# Altium PCB AJMG 2550XD Silver Jubilee.PcbDoc (part 1 of 2)
Units mm, origin at the board's own origin, x right, y up, seen from the top; angles counter-clockwise.
Board outline 350 x 150 mm, 2 copper layers (Top Layer, Bottom Layer), stack 1.97 mm thick; 150 components, 103 nets, 473 pads, 1195 vias.
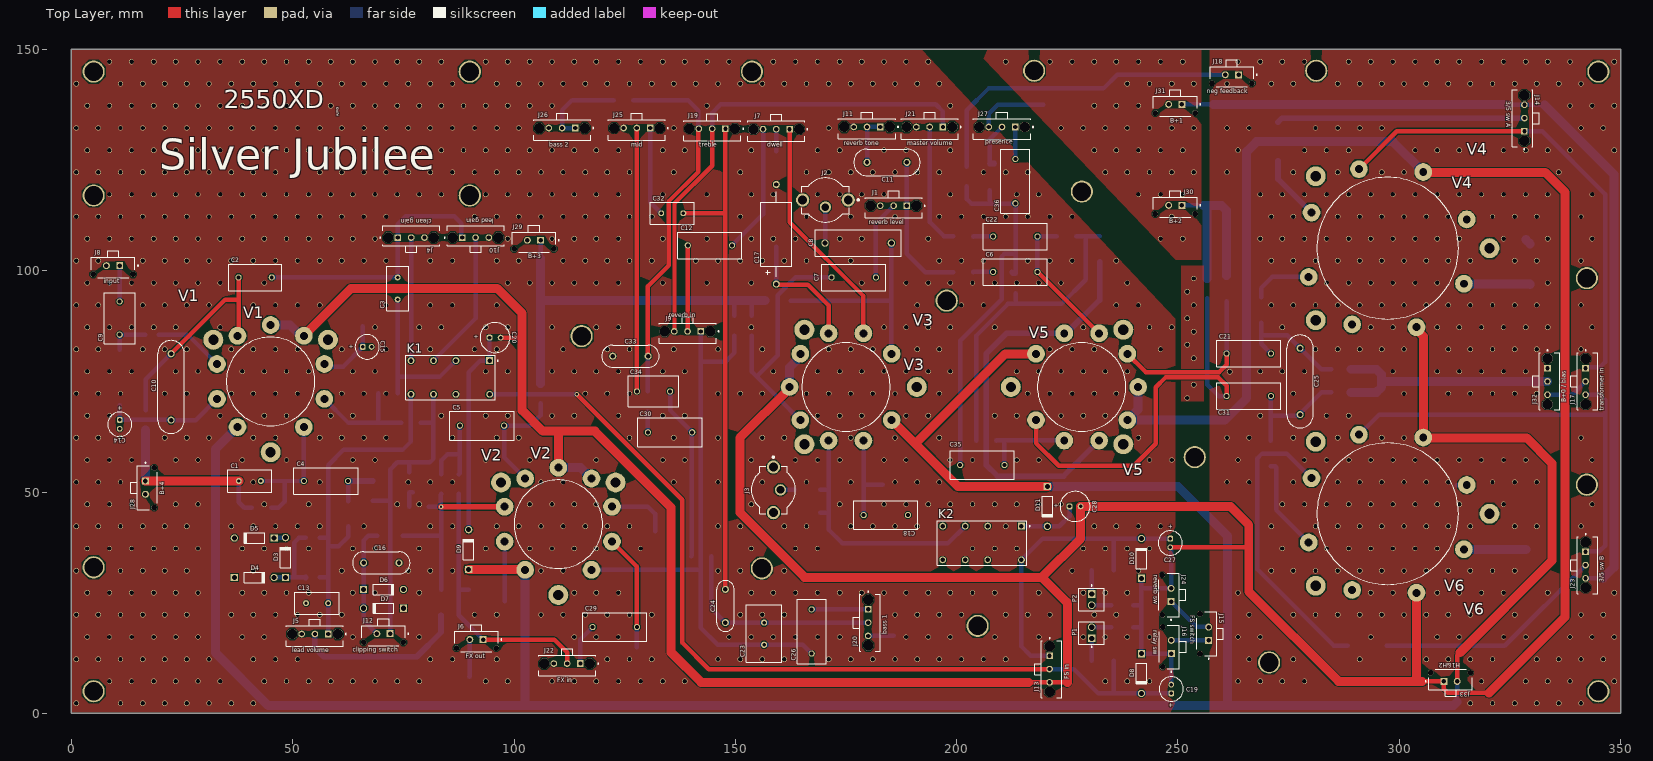
[diagram p0: Top Layer view]
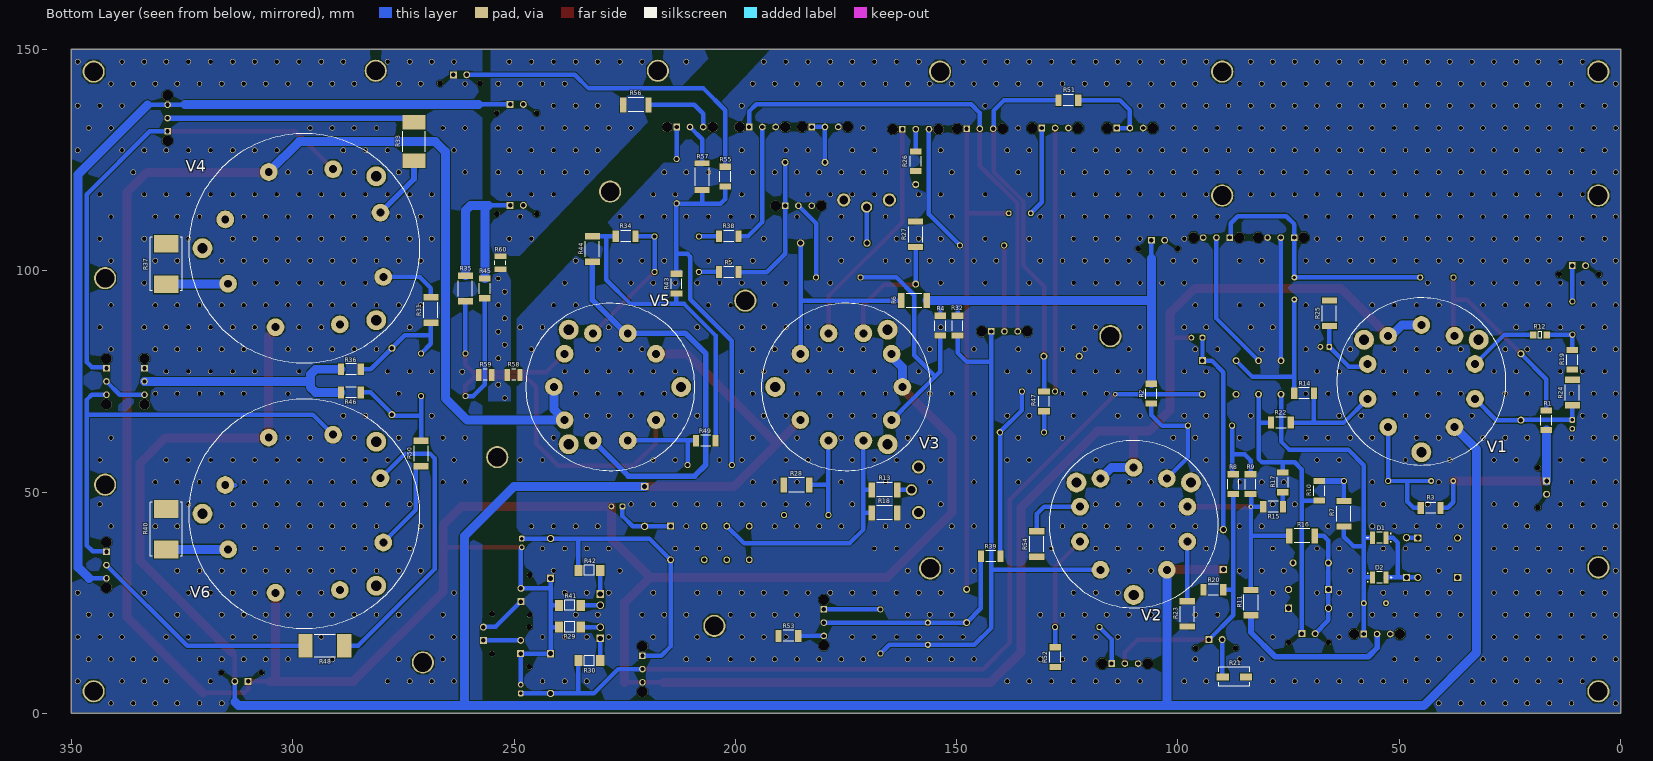
[diagram p1: Bottom Layer view, seen from below]
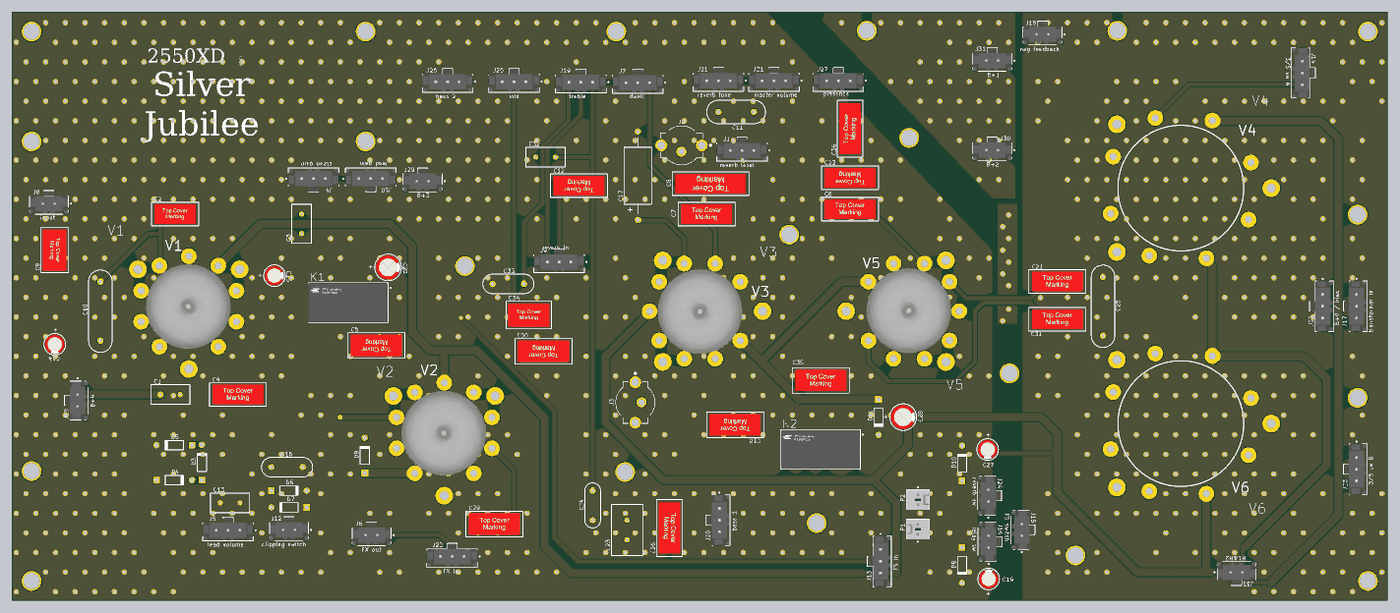
[diagram p3: 3D render of the assembled board from above, using the file's embedded part models]

## Layer stack, top to bottom
Top Solder: solder mask 0.0127, Solder Resist, Dk 3.8
Top Layer: signal copper 0.035
Dielectric: core 1.9, FR-4, Dk 4.5
Bottom Layer: signal copper 0.035
Bottom Solder: solder mask 0.0127, Solder Resist, Dk 3.8

## Board outline
0,0 0,150 350,150 350,0

## Design rules (kind name [scope] priority, off if disabled: settings)
BoardOutlineClearance [All] p1: gap=0.2 ignorepadtopadclearanceinfootprint=FALSE
Clearance [All] p1: gap=0.2 ignorepadtopadclearanceinfootprint=FALSE
ComponentClearance [All] p1: gap=0.127 collisioncheckmode=3 verticalgap=0.127 showdistances=TRUE
DiffPairsRouting [All] p1: maxlimit=0.254 minlimit=0.127 mostfreqgap=0.127 toplayer_minwidth=0.127 toplayer_maxwidth=25.4 toplayer_prefwidth=0.127 bottomlayer_minwidth=0.127 bottomlayer_maxwidth=25.4 bottomlayer_prefwidth=0.127 maxuncoupledlength=12.7
Height [All] p1: minheight=0 maxheight=1816.048 prefheight=12.7
HoleSize [All] p1: absolutevalues=TRUE maxlimit=6.3 minlimit=0.3 maxpercent=80.000 minpercent=20.000
HoleToHoleClearance [All] p1: gap=0.25 allowstackedmicrovias=FALSE
MinimumAnnularRing [All] p1: minimumring=0.076
MinimumSolderMaskSliver [All] p1: minsoldermaskwidth=0
PlaneClearance [All] p1: clearance=0.127
PlaneConnect PlaneConnectPowerPads [InPadClass('PowerPads')] p1: planeconnectstyle=Direct reliefexpansion=0.508 reliefentries=4 reliefconductorwidth=0.254 reliefairgap=0.254
PlaneConnect [All] p2: pad.planeconnectstyle=Relief pad.reliefexpansion=0.3 pad.reliefentries=4 pad.reliefconductorwidth=0.127 pad.reliefairgap=0.127 via.planeconnectstyle=Direct via.reliefexpansion=0.3 via.reliefentries=4 via.reliefconductorwidth=0.127 via.reliefairgap=0.127
PolygonConnect PolygonConnectPowerPads [All vs (InPadClass('PowerPads'))] p1: connectstyle=Direct reliefconductorwidth=0.254 reliefentries=4 polygonreliefangle="90 Angle" airgapwidth=0.254
PolygonConnect [All] p2: thpad.connectstyle=Relief thpad.reliefconductorwidth=0.127 thpad.reliefentries=4 thpad.polygonreliefangle="90 Angle" thpad.airgapwidth=0.127 smdpad.connectstyle=Relief smdpad.reliefconductorwidth=0.127 smdpad.reliefentries=4 smdpad.polygonreliefangle="90 Angle" smdpad.airgapwidth=0.127 via.connectstyle=Direct via.reliefconductorwidth=0.127 via.reliefentries=4 via.polygonreliefangle="90 Angle" via.airgapwidth=0.127
RoutingVias [All] p1: holewidth=1 width=1.2 viastyle="Through Hole" minholewidth=0.3 minwidth=0.6 maxholewidth=2 maxwidth=6.6
SilkToSilkClearance [All] p1: silktosilkclearance=0
SilkToSolderMaskClearance [IsPad] p1: minsilkscreentomaskgap=0.127 clearancetoexposedcopper=TRUE
SolderMaskExpansion [All] p1: expansion=0.075 istentingtop=FALSE
Width Width_PWR [All] p1: maxlimit=25.4 minlimit=0.254 preferedwidth=1.27 minimp=50.000000 maximp=50.000000 favimp=50.000000
Width [InNet('+*') Or InNet('PWR_GND') Or InNet('PRE_GND') Or InNet('PI_GND')] p2: maxlimit=25.4 minlimit=0.127 preferedwidth=1.27 minimp=50.000000 maximp=50.000000 favimp=50.000000
20 further rules are at their usual default settings.

## Components (designator, comment, footprint, x,y, rotation, side; value= is the part's Value field where it differs from the comment)
C1 "470p 630V" C_THT_5MM_7.2X4.5_NOT_POLARISED 40.3,52.5 r180 top
C2 "0.033u 630V" C_THT_7.5MM_10.5X5_NOT_POLARISED 41.5,98.5 r0 top
C3 "0.001u 630V" C_THT_5MM_7.2X4.5_NOT_POLARISED 73.7,96 r270 top
C4 "0.022u 400V" C_THT_10MM_13X5_NOT_POLARISED 57.5,52.5 r0 top
C5 "0.1uF 305VAC" C_THT_10MM_13X5.5_NOT_POLARISED 92.75,65 r180 top
C6 "0.022u 400V" C_THT_10MM_13X5_NOT_POLARISED 213.25,99.75 r0 top
C7 "4700p 1kV" C_THT_10MM_13X5_NOT_POLARISED 176.75,98.5 r0 top
C8 "220n 400V" C_THT_15MM_18X5_NOT_POLARISED 177.75,106.25 r180 top
C9 "0.047u 630V" C_THT_7.5MM_10.5X6_NOT_POLARISED 10.9,89.3 r270 top
C10 "47p 1kV" C_THT_15MM_16.3X4.8_NOT_POLARISED 22.5,73.75 r90 top
C11 "500p 500V" C_THT_9MM_16.25X5_NOT_POLARISED 184.25,124.5 r0 top
C12 "0.022u 400V" C_THT_10MM_13X5_NOT_POLARISED 144.25,105.75 r180 top
C13 "0.001u 630V" C_THT_5MM_7.2X4.5_NOT_POLARISED 55.5,24.9 r0 top
C14 "0.68u 100V" C_THT_2MM_D5H11_POLARISED 10.9,65.3 r90 top
C15 "10u 100V" C_THT_2MM_D5H11_POLARISED 66.8,82.8 r180 top
C16 "0.002u 500V" C_THT_8MM_16X5_NOT_POLARISED 70,34 r180 top
C17 "25u 50V" C_THT_22.5MM_D6.35XH17.45_AXIAL_POLARISED 159.25,108.25 r90 top
C18 "0.1uF 305VAC" C_THT_10MM_13X5.5_NOT_POLARISED 184,44.8 r180 top
C19 "22u 35V" C_THT_2MM_D5H11_POLARISED 248.5,5.5 r270 top
C20 "470u 10V" C_THT_2.5MM_D6.3H11_POLARISED 95.7,84.9 r180 top
C21 "0.022u 400V" C_THT_10MM_13X5_NOT_POLARISED 266,81.3 r0 top
C22 "0.022u 400V" C_THT_10MM_13X5_NOT_POLARISED 213.25,107.75 r180 top
C23 "0.0047u 630V" C_THT_5MM_7.2X6.5_NOT_POLARISED 156.5,18 r90 top
C24 "220pF 1kV" C_THT_7.5MM_10.9X3.8_NOT_POLARISED 147.75,24.25 r90 top
C25 "47p 1kV" C_THT_15MM_16.3X4.8_NOT_POLARISED 277.6,75 r90 top
C26 "0.1uF 305VAC" C_THT_10MM_13X5.5_NOT_POLARISED 167.25,18.5 r270 top
C27 "22u 35V" C_THT_2MM_D5H11_POLARISED 248.25,38.5 r90 top
C28 "470u 10V" C_THT_2.5MM_D6.3H11_POLARISED 226.75,46.75 r180 top
C29 "0.1uF 305VAC" C_THT_10MM_13X5.5_NOT_POLARISED 122.75,19.5 r0 top
C30 "0.1uF 305VAC" C_THT_10MM_13X5.5_NOT_POLARISED 135.25,63.5 r180 top
C31 "0.022u 400V" C_THT_10MM_13X5_NOT_POLARISED 266,71.7 r0 top
C32 "470p 630V" C_THT_5MM_7.2X4.5_NOT_POLARISED 135.75,113 r0 top
C33 "0.002u 500V" C_THT_8MM_16X5_NOT_POLARISED 126.3,80.7 r0 top
C34 "0.01u 1kV" C_THT_7.5MM_10.5X6_NOT_POLARISED 131.5,72.75 r0 top
C35 "0.1uF 305VAC" C_THT_10MM_13X5.5_NOT_POLARISED 205.8,56.1 r0 top
C36 "0.1uF 305VAC" C_THT_10MM_13X5.5_NOT_POLARISED 213.25,120.25 r90 top
D1 "LTST-C930CKT" D_LTST-C930CKT 54.5,39.7 r180 bottom
D2 "LTST-C930CKT" D_LTST-C930CKT 54.5,30.7 r0 bottom
D3 "1N4007-T" D_1N4007-T 48.35,35.2 r90 top
D4 "1N4007-T" D_1N4007-T 41.3,30.7 r0 top
D5 "1N4007-T" D_1N4007-T 41.3,39.6 r180 top
D6 "1N4007-T" D_1N4007-T 70.5,28 r0 top
D7 "1N4007-T" D_1N4007-T 70.5,23.75 r180 top
D8 "1N4007-T" D_1N4007-T 241.75,9 r270 top
D9 "1N4007-T" D_1N4007-T 89.75,37 r90 top
D10 "1N4007-T" D_1N4007-T 241.75,35 r90 top
D11 "1N4007-T" D_1N4007-T 220.5,46.75 r270 top
J1 "43650-0320" "CONN HEADER VERT 3POS 3MM" 185.75,115 r0 top
J2 "RCJ-021" CONN_CUI_RCJ-021 170.35,116 r180 top
J3 "RCJ-021" CONN_CUI_RCJ-021 158.6,50.5 r270 top
J4 "43650-0320" "CONN HEADER VERT 3POS 3MM" 76.75,107.185 r180 top
J5 "43650-0320" "CONN HEADER VERT 3POS 3MM" 55,18.25 r0 top
J6 "43650-0229" "CONN HEADER VERT 2POS 3MM" 91.5,17 r0 top
J7 "43650-0320" "CONN HEADER VERT 3POS 3MM" 159.25,132.315 r0 top
J8 "43650-0229" "CONN HEADER VERT 2POS 3MM" 9.4,101.475 r0 top
J9 "43650-0320" "CONN HEADER VERT 3POS 3MM" 139.2,86.615 r0 top
J10 "43650-0320" "CONN HEADER VERT 3POS 3MM" 91.3,107.185 r180 top
J11 "43650-0320" "CONN HEADER VERT 3POS 3MM" 179.75,132.815 r0 top
J12 "43650-0229" "CONN HEADER VERT 2POS 3MM" 70.5,18.315 r0 top
J13 "43650-0320" "CONN HEADER VERT 3POS 3MM" 220.685,10 r90 top
J14 "43650-0320" "CONN HEADER VERT 3POS 3MM" 328.6,134.5 r270 top
J15 "43650-0229" "CONN HEADER VERT 2POS 3MM" 257.25,18 r270 top
J16 "43650-0229" "CONN HEADER VERT 2POS 3MM" 248.815,15 r270 top
J17 "43650-0320" "CONN HEADER VERT 3POS 3MM" 341.785,75 r90 top
J18 "43650-0229" "CONN HEADER VERT 2POS 3MM" 262.2,144.6 r0 top
J19 "43650-0320" "CONN HEADER VERT 3POS 3MM" 144.75,132.415 r0 top
J20 "43650-0320" "CONN HEADER VERT 3POS 3MM" 179.685,20.5 r90 top
J21 "43650-0320" "CONN HEADER VERT 3POS 3MM" 193.9,132.8 r0 top
J22 "43650-0320" "CONN HEADER VERT 3POS 3MM" 111.994,11.565 r0 top
J23 "43650-0320" "CONN HEADER VERT 3POS 3MM" 341.785,33.5 r90 top
J24 "43650-0229" "CONN HEADER VERT 2POS 3MM" 248.75,26.75 r270 top
J25 "43650-0320" "CONN HEADER VERT 3POS 3MM" 127.75,132.565 r0 top
J26 "43650-0320" "CONN HEADER VERT 3POS 3MM" 110.85,132.565 r0 top
J27 "43650-0320" "CONN HEADER VERT 3POS 3MM" 210.244,132.802 r0 top
J28 "43650-0229" "CONN HEADER VERT 2POS 3MM" 16.4,51 r90 top
J29 "43650-0229" "CONN HEADER VERT 2POS 3MM" 104.5,107.215 r0 top
J30 "43650-0229" "CONN HEADER VERT 2POS 3MM" 249.4,115.1 r0 top
J31 "43650-0229" "CONN HEADER VERT 2POS 3MM" 249.4,137.9 r0 top
J32 "43650-0320" "CONN HEADER VERT 3POS 3MM" 333.185,75 r90 top
J33 "43650-0229" "CONN HEADER VERT 2POS 3MM" 311.6,6.9 r180 top
K1 "9-1393792-3" RELAY_V23105A5301A201 85.6,75.9 r180 top
K2 "9-1393792-3" RELAY_V23105A5301A201 205.75,38.5 r180 top
P1 "22-27-2021" MOLX-22-27-2021_V 230.5,18.2 r90 top
P2 "22-27-2021" MOLX-22-27-2021_V 230.5,25.7 r270 top
R1 "100k 1%" R_2010 16.75,66.225 r270 bottom
R2 "100k 1%" R_2010 106,72.25 r90 bottom
R3 "100k 1%" R_2010 42.9,46.4 r180 bottom
R4 "470k 1%" R_2010 153.7,87.6 r270 bottom
R5 "100k 1%" R_2010 201.5,99.7 r0 bottom
R6 "10k 5%" R_2512 159.625,93.25 r180 bottom
R7 "47k 1%" R_2512 62.5,45.1 r270 bottom
R8 "100k 1%" R_2010 87.5,51.8 r90 bottom
R9 "1M 1%" R_2010 83.6,51.8 r270 bottom
R10 "220k 1%" R_2010 68.1,50.3 r90 bottom
R11 "47k 1%" R_2512 83.5,25 r90 bottom
R12 "68k 2%" R_MELF_0204 18.2,85.5 r0 bottom
R13 "10k 5%" R_2512 166.3,50.5 r180 bottom
R14 "100k 1%" R_2010 71.5,72.3 r180 bottom
R15 "100k 1%" R_2010 78.5,46.7 r0 bottom
R16 "47k 1%" R_2512 72,40.1 r0 bottom
R17 "10k 1%" R_2010 76.3,52.2 r90 bottom
R18 "22k 5%" R_2512 166.3,45.3 r0 bottom
R19 "1M 1%" R_2010 10.9,79.9 r90 bottom
R20 "10k 1%" R_2010 92,27.9 r180 bottom
R21 "10R 5%" R_2616_MOLDED 87.25,8.25 r0 bottom
R22 "220k 1%" R_2010 76.725,65.7 r180 bottom
R23 "1.5k 5%" R_2512 97.9,22.5 r90 bottom
R24 "2.7k 1%" R_2512 10.9,72.5 r270 bottom
R25 "1.5k 5%" R_2512 65.8,90.4 r270 bottom
R26 "220k 1%" R_2010 159.25,124.75 r90 bottom
R27 "1k2" R_2512 159.25,108.25 r270 bottom
R28 "3k 1%" R_2512 186.2,51.6 r180 bottom
R29 "330R 2%" R_MELF_0207 237.4,19.5 r180 bottom
R30 "330R 2%" R_MELF_0207 233,11.9 r0 bottom
R31 "5.6k 5%" R_2512 268.8,91.1 r90 bottom
R32 "220k 1%" R_2010 149.8,87.6 r90 bottom
R33 "1K 1%" R_3550 272.6,129.2 r270 bottom
R34 "1M 1%" R_2010 224.8,107.8 r180 bottom
R35 "82k 5%" R_2512 261,96 r270 bottom
R36 "220k 1%" R_2010 286.85,77.75 r180 bottom
R37 "1R 1%" R_4527_MOLDED 328.6,101.5 r270 bottom
R38 "100k 1%" R_2010 201.5,107.8 r0 bottom
R39 "100k 1%" R_2010 142.3,35.5 r0 bottom
R40 "1R 1%" R_4527_MOLDED 328.6,41.6 r90 bottom
R41 "330R 2%" R_MELF_0207 237.4,24.4 r180 bottom
R42 "330R 2%" R_MELF_0207 233,32.3 r0 bottom
R43 "10k 1%" R_2010 213.3,97.1 r270 bottom
R44 "470R 1%" R_2512 232.3,104.9 r270 bottom
R45 "100k 1%" R_2010 256.6,96 r90 bottom
R46 "220k 1%" R_2010 286.85,72.5 r0 bottom
R47 "10k 1%" R_2010 130.25,70.5 r90 bottom
R48 "1K 1%" R_3550 292.75,15.25 r0 bottom
R49 "1M 1%" R_2010 206.7,61.6 r180 bottom
R50 "5.6k 5%" R_2512 271,58.7 r270 bottom
R51 "100k 1%" R_2010 124.75,138.5 r0 bottom
R52 "1M 1%" R_2010 127.75,12.725 r90 bottom
R53 "100k 1%" R_2010 188,17.5 r180 bottom
R54 "470R 1%" R_2512 131.9,38.275 r90 bottom
R55 "100k 1%" R_2010 202.3,121.3 r90 bottom
R56 "470R 1%" R_2512 222.5,137.5 r0 bottom
R57 "4k7 5%" R_2512_N 207.5,121.25 r90 bottom value="4700.00 Ohm"
R58 "CRCW12100000Z0EA" FP-CRCW1210-e3-IPC_B 250.1,76.5 r0 bottom
R59 "CRCW12100000Z0EA" FP-CRCW1210-e3-IPC_B 256.5,76.5 r0 bottom
R60 "CRCW12100000Z0EA" FP-CRCW1210-e3-IPC_B 253.1,101.8 r90 bottom
V1 "ECC83" VT9-PT-2 45,75 r0 top locked
V2 "ECC83" VT9-PT-2 110,42.75 r0 top locked
V3 "12DW7" VT9-PT-2 175,73.75 r90 top locked
V4 "EL34" VT8-PT-2 297.4,105.1 r180 top locked
V5 "ECC83" VT9-PT-2 228.25,73.75 r270 top locked
V6 "EL34" VT8-PT-2 297.4,45.1 r180 top locked

## Footprints (in the part's own frame and the unit in brackets; to place one, negate y for a bottom-side part, rotate by r counter-clockwise, add the part's x,y. Pads: shape width x height; smd on the part's side, far side on the other; paste and mask are expansions set on the pad)
C_THT_2.5MM_D6.3H11_POLARISED [mm] "THT Aluminum Electrolytic Capacitors, Body D6.3xH11mm"
  rrect50% 1.3x1.3 hole 0.8: 1(1.25,0)
  round 1.3 hole 0.8: 2(-1.25,0)
  silkscreen extent -3.4,-3.4 3.4,3.4, body extent -3.14,-3.15 3.15,3.15, height 11.31
C_THT_2MM_D5H11_POLARISED [mm] "THT Aluminum Electrolytic Capacitors, Body D5xH11mm"
  rrect50% 1.3x1.3 hole 0.8: 1(1,0)
  round 1.3 hole 0.8: 2(-1,0)
  silkscreen extent -2.75,-2.75 2.75,2.75, body extent -2.49,-2.5 2.5,2.5, height 11.31
C_THT_5MM_7.2X4.5_NOT_POLARISED [mm] "THT Film Capacitors, Body 7.2x4.5mm"
  round 1.35 hole 0.75: 1(-2.5,0) 2(2.5,0)
  silkscreen extent -5,-2.5 5,2.5
C_THT_5MM_7.2X6.5_NOT_POLARISED [mm] "THT Film Capacitors, Body 7.2x6.5mm"
  round 1.4 hole 0.8: 1(-2.5,0) 2(2.5,0)
  silkscreen extent -6.5,-4 6.5,4
C_THT_7.5MM_10.5X5_NOT_POLARISED [mm] "THT Film Capacitors, Body 10.5x5mm"
  round 1.4 hole 0.9: 1(-3.75,0) 2(3.75,0)
  silkscreen extent -6,-3 6,3, body extent -5.25,-2.5 5.25,2.5, height 11.05
C_THT_7.5MM_10.5X6_NOT_POLARISED [mm] "THT Film Capacitors, Body 10.5x6mm"
  round 1.4 hole 0.9: 1(-3.75,0) 2(3.75,0)
  silkscreen extent -5.75,-3.5 5.75,3.5, body extent -5.25,-3 5.25,3, height 12.05
C_THT_7.5MM_10.9X3.8_NOT_POLARISED [mm] "THT Film Capacitors, Body 10.9x3.8mm"
  round 1.6 hole 1: 1(-3.75,0) 2(3.75,0)
  silkscreen extent -5.75,-2 5.75,2
C_THT_8MM_16X5_NOT_POLARISED [mm] "THT Mica Capacitors, Body 16x5mm"
  round 1.6 hole 1: 1(-4,0) 2(4,0)
  silkscreen extent -6.5,-2.5 6.5,2.5
C_THT_9MM_16.25X5_NOT_POLARISED [mm] "THT Mica Capacitors, Body 16.25x5mm"
  round 1.6 hole 1: 1(-4.5,0) 2(4.5,0)
  silkscreen extent -7.5,-3 7.5,3
C_THT_10MM_13X5.5_NOT_POLARISED [mm] "THT Film Capacitors, Body 13x5.5mm"
  round 1.4 hole 0.9: 1(-5,0) 2(5,0)
  silkscreen extent -7.25,-3.25 7.25,3.25, body extent -6.5,-2.75 6.5,2.75, height 11.05
C_THT_10MM_13X5_NOT_POLARISED [mm] "THT Film Capacitors, Body 13x5mm"
  round 1.4 hole 0.9: 1(-5,0) 2(5,0)
  silkscreen extent -7.25,-3 7.25,3, body extent -6.5,-2.5 6.5,2.5, height 11.05
C_THT_15MM_16.3X4.8_NOT_POLARISED [mm] "THT Mica Capacitors, Body 16.3x4.8mm"
  round 1.6 hole 1: 1(-7.5,0) 2(7.5,0)
  silkscreen extent -10.5,-3 10.5,3
C_THT_15MM_18X5_NOT_POLARISED [mm] "THT Film Capacitors, Body 18x5mm"
  round 1.65 hole 1.1: 1(-7.5,0) 2(7.5,0)
  silkscreen extent -9.75,-3 9.75,3, body extent -9,-2.5 9,2.5, height 11.05
C_THT_22.5MM_D6.35XH17.45_AXIAL_POLARISED [mm] "THT Electrolit Capacitors, Body 6.35x17.45mm"
  round 1.6 hole 1: 1(-11.25,0) 2(11.25,0)
  silkscreen extent -9.65,-3.5 9.65,3.5
"CONN HEADER VERT 2POS 3MM" [mm]
  rect 1.57x1.57 hole 1.02 paste-1000 mask+0: 1(1.5,-0.315)
  round 1.57 hole 1.02 paste-1000 mask+0: 2(-1.5,-0.315)
  round 1.27 hole 1.27 unplated paste-1000 mask+0: ""(-4.5,-2.275) ""(4.5,-2.275)
  silkscreen extent -4.95,-3.04 5.75,3.04, body extent -5.24,-3.14 5.24,3.14, height 0.25
"CONN HEADER VERT 3POS 3MM" [mm]
  rect 1.5x1.5 hole 0.97 paste-1000 mask+0: 1(3,-0.315)
  round 1.5 hole 0.97 paste-1000 mask+0: 2(0,-0.315) 3(-3,-0.315)
  round 2.36 hole 2.36 unplated paste-1000 mask+0: ""(-5.15,-0.315) ""(5.15,-0.315)
  silkscreen extent -6.45,-3.04 7.13,3.04, body extent -6.55,-3.14 6.55,3.14, height 0.25
CONN_CUI_RCJ-021 [mm] "Connector RCJ-021, Body 10,7x10, Vertical, 1 port"
  round 3 hole 2: 1A(-5.15,0) 1B(5.15,0)
  round 2.55 hole 1.7: 2(0,1.6)
  silkscreen extent -7.6,-4.98 5.35,4.98
D_1N4007-T [mm] "Diode, Axial Lead, Body 4.635x2.36mm, Pin Spacing 9mm"
  rect 1.65x1.65 hole 1.15: 1(-4.5,0)
  round 1.65 hole 1.15: 2(4.5,0)
  silkscreen extent -2.32,-1.18 2.32,1.18, body extent -4.93,-1.18 4.93,1.18, height 2.35
D_LTST-C930CKT [mm] "Diode LED - LTST-C930CKT"
  rect 1.1x2.8 smd paste+0 mask+0: 1(-1.55,0) 2(1.55,0)
  silkscreen extent -2.8,-1.25 2.79,1.25, body extent -1.6,-1.2 1.6,1.2, height 2.5
FP-CRCW1210-e3-IPC_B [mm]
  rect 1.205x2.706 smd paste+0 mask+0: 1(-1.451,0) 2(1.451,0)
  silkscreen extent -0.47,-1.25 0.47,1.25, body extent -1.6,-1.25 1.6,1.25, height 0.6
MOLX-22-27-2021_V [mm] "Header, 2-Leads, Body 5.8x5.08mm"
  rect 1.7x1.7 hole 1.19: 1(-1.27,0)
  round 1.7 hole 1.19: 2(1.27,0)
  silkscreen extent -3.31,-2.9 2.54,2.9, body extent -2.54,-2.9 2.54,2.9, height 11.72
R_2010 [mm] "Chip Resistor, Body 4,00x2,5mm, IPC Medium Density"
  rect 1.4x2.65 smd: 1(-2.225,0) 2(2.225,0)
  silkscreen extent -1.15,-1.22 1.15,1.23, body extent -2.57,-1.32 2.58,1.33, height 0.7
R_2512 [mm] "Chip Resistor, Body 6,30x3,20mm, IPC Medium Density"
  rect 1.45x3.4 smd: 1(-2.875,0) 2(2.875,0)
  silkscreen extent -1.75,-1.6 1.75,1.6, body extent -3.25,-1.7 3.25,1.7, height 0.7
R_2512_N [mm] "Chip Resistor, Body 6.4x3.2mm, IPC Medium Density"
  rect 1.25x3.35 smd: 1(-3,0) 2(3,0)
  silkscreen extent -2,-1.57 2,1.58, body extent -3.25,-1.7 3.25,1.7, height 0.75
R_2616_MOLDED [mm] "Molded Inductor, Body 6,70x4,00mm, IPC Medium Density"
  rect 2.75x1.6 smd: 1(-2.625,0) 2(2.625,0)
  silkscreen extent -3.5,-2.15 3.5,2.15, body extent -3.5,-2.15 3.5,2.15, height 3.85
R_3550 [mm] "Chip Resistor, Body 11,00x5,00mm, IPC Medium Density"
  rect 3.25x5.25 smd: 1(-4.375,0) 2(4.375,0)
  silkscreen extent -2.35,-2.52 2.35,2.53, body extent -5.65,-2.62 5.65,2.63, height 1.2
R_4527_MOLDED [mm] "Molded Inductor, Body 11,56x6,98mm, IPC Medium Density"
  rect 4x5.5 smd: 1(-4.575,0) 2(4.575,0)
  silkscreen extent -6.05,-3.6 6.05,3.6, body extent -6.03,-3.55 6.03,3.55, height 4.5
R_MELF_0204 [mm] "MELF Resistor, Body 3,60x1,40mm, IPC Medium Density"
  rect 1.55x1.65 smd: 1(-1.525,0) 2(1.525,0)
  silkscreen extent -0.35,-0.72 0.35,0.72, body extent -1.9,-0.75 1.9,0.75, height 1.49
R_MELF_0207 [mm] "MELF Resistor, Body 5,80x2,20mm, IPC Medium Density"
  rect 1.9x2.5 smd: 1(-2.45,0) 2(2.45,0)
  silkscreen extent -1.1,-1.15 1.1,1.15, body extent -2.98,-1.2 2.97,1.2, height 2.39
RELAY_V23105A5301A201 [mm] "Relay TELECOM V23105A5301A201, Body 20,2x10mm, DPDT 3A 5V"
  rect 1.55x1.55 hole 1 paste-1000 mask+0: 1(-8.89,-3.81)
  round 1.55 hole 1 paste-1000 mask+0: 4(-1.27,-3.81) 6(3.81,-3.81) 8(8.89,-3.81) 9(8.89,3.81) 11(3.81,3.81) 13(-1.27,3.81) 16(-8.89,3.81)
  silkscreen extent -10.85,-5.02 10.12,5.02, body extent -10.23,-5.13 10.23,5.13, height 0.25
VT8-PT-2 [mm] "Tube Socket -  VT8-PT-2"
  round 4 hole 1.8: 1(-17.854,-6.498) 2(-8.03,-17.22) 3(6.498,-17.854) 4(17.22,-8.03) 5(17.854,6.498) 6(8.03,17.22) 7(-6.498,17.854) 8(-17.22,8.03)
  round 4.5 hole 2.3: M1(-23,0) M2(16.263,-16.263) M3(16.263,16.263)
  silkscreen extent -16,-16 16,16, body extent -19.62,-19.59 19.59,19.69, height 100
VT9-PT-2 [mm] "Tube Socket -  VT9-PT-2"
  round 4 hole 1.8: 1(7.494,-10.315) 2(12.126,-3.94) 3(12.126,3.94) 4(7.494,10.315) 5(0,12.75) 6(-7.494,10.315) 7(-12.126,3.94) 8(-12.126,-3.94) 9(-7.494,-10.315)
  round 4.5 hole 2.3: M1(12.944,9.405) M2(-12.944,9.405) M3(0,-16)
  silkscreen extent -10,-10 10,10, body extent -15.13,-15.08 14.89,14.94, height 52.4

## Part data
C1 C32: library part FKP2J004701D00KSSD, "CAP FILM THT 7.2x4.5 470pF 630V 10%", Capacitance=470pF, Case/Package=Radial, Dielectric=PP, Manufacturer=WIMA, Max Operating Temperature=100°C, Min Operating Temperature=-55°C, Supplier Part Number 1=505-FKP2470/630/10, Tolerance=10%, Voltage Rating (AC)=250V, Voltage Rating (DC)=630V, Category="Film Capacitors", ComponentLink1Description=https://datasheet.ciiva.com/48407/hifkp2-dat-e-48407899.pdf?src-supplier=Distrelec, ComponentLink1URL=https://datasheet.ciiva.com/48407/hifkp2-dat-e-48407899.pdf?src-supplier=Distrelec, Height=6mm, Lead Pitch=5mm, Length=7.2mm, Manufacturer Part Number=FKP2J004701D00KSSD, Pricing 1="1=0,36000, 10=0,25600, 50=0,25600, 100=0,15300, 1000=0,09700, 10000=0,08100 (USD)", RoHS=Yes, RoHS Compliant=Yes, Stock 1=4441, Supplier 1=Mouser, Termination=Radial, Width=4.5mm
C2: library part 890303322005CS, "CAP FILM THT 10.5x5 0.033uF 630V 5%", Capacitance=33nF, Capacitance Tolerance=+/-5%, Insulation Resistance=30000MOhm, Manufacturer="Wurth Elektronik", Operating Temperature="-40 to +105degC", Rate of Voltage Rise=700V/us, Rated Voltage=630VDC, ComponentLink1Description=Manufacturer, ComponentLink1URL=http://www.we-online.de, ComponentLink2Description=Datasheet, ComponentLink2URL=https://www.we-online.com/catalog/datasheet/890303322005CS.pdf, Dissipation Factor@1kHz=0.1%, Dissipation Factor@10kHz=0.1%, Dissipation Factor@100kHz=0.15%, Height=11mm, Length=10.5mm, Manufacturer Part Number=890303322005CS, Mounting Technology=THT, Packaging=Carton, Pitch=7.5mm, Published Date="May 2020", Technical Reference=MPPP075333J630DCPP45004, Width=5mm
C3 C13: library part FKP2J011001D00KI00, "CAP FILM THT 7.2x4.5 0.001uF 630V 10%", Capacitance=1nF, Case/Package=Radial, Dielectric=PP, Manufacturer=WIMA, Max Operating Temperature=100°C, Min Operating Temperature=-55°C, Supplier Part Number 1=505-FKP2J011001D00KI, Tolerance=10%, Category=Uncategorized, ComponentLink1Description=http://components.arrow.com/part/dataview/0323_03186601?src-supplier=Arrow+Europe, ComponentLink1URL=http://components.arrow.com/part/dataview/0323_03186601?src-supplier=Arrow+Europe, Depth=4.5mm, Lead Diameter=0.5mm, Lead Pitch=5mm, Length=7.2mm, Manufacturer Part Number=FKP2J011001D00KI00, Packaging="Tape and Reel", Pricing 1="1=0,38000, 10=0,26600, 50=0,26600, 100=0,15900, 1000=0,10100, 10000=0,08500 (USD)", RoHS=Yes, Stock 1=6998, Supplier 1=Mouser
C4 C6 C12 C21 C22 C31: library part MKP4G022203C00KSSD, "CAP FILM THT 13x4 0.022uF 400V 10%", Capacitance=22nF, Case/Package=Radial, Dielectric=PP, Manufacturer=WIMA, Max Operating Temperature=100°C, Min Operating Temperature=-55°C, Supplier Part Number 1=505-MKP4.022/400/10P, Tolerance=10%, Voltage Rating=400V, Category="Film Capacitors", ComponentLink1Description=http://components.arrow.com/part/dataview/0323_02831633?src-supplier=Arrow+Europe, ComponentLink1URL=http://components.arrow.com/part/dataview/0323_02831633?src-supplier=Arrow+Europe, ComponentLink2Description=http://www.mouser.com/ds/2/440/e_WIMA_MKP_4-1139861.pdf?src-supplier=Mouser, ComponentLink2URL=http://www.mouser.com/ds/2/440/e_WIMA_MKP_4-1139861.pdf?src-supplier=Mouser, Construction=RADIAL, Depth=4mm, Dissipation Factor=10%, Height=9mm, Lead Diameter=0.6mm, Lead Pitch=10mm, Length=13mm, Manufacturer Part Number=MKP4G022203C00KSSD, Packaging=Bulk, Pricing 1="1=0,38000, 10=0,27200, 50=0,27200, 100=0,17900, 1000=0,11700, 10000=0,09600 (USD)", RoHS=Yes, RoHS Compliant=Yes, Series=MKP4, Stock 1=2521, Supplier 1=Mouser, Termination=Radial, Type="General Purpose", Width=4mm
C5 C18 C26 C29 C30 C35 C36: library part MPX104K305D, "CAP FILM THT 13x6 0.1uF 305V(AC) 10%", Manufacturer="Cornell Dubilier", Supplier Part Number 1=598-MPX104K305D, Manufacturer Part Number=MPX104K305D, Pricing 1="1=0,41000, 10=0,20200, 50=0,20200, 100=0,12800, 1000=0,10800, 10000=0,08800 (USD)", RoHS=No, Stock 1=2661, Supplier 1=Mouser
C7: library part MKP10-4700/1KV/10P10, "CAP FILM THT 13x4 4700pF 1kV 10%", Manufacturer=WIMA, Supplier Part Number 1=505-MKP147001KV10P1, Manufacturer Part Number=MKP10-4700/1KV/10P10, Pricing 1="1=0,40000, 10=0,28700, 50=0,28700, 100=0,18900, 1000=0,12300, 10000=0,10100 (USD)", RoHS=No, Stock 1=2404, Supplier 1=Mouser
C8: library part 890283425002CS, "CAP FILM THT 18x5 220nF 400V 10%", Capacitance=220nF, Capacitance Tolerance=+/-10%, Insulation Resistance=9000MOhm, Manufacturer="Wurth Elektronik", Operating Temperature="-40 to +85degC", Rate of Voltage Rise=12V/us, Rated Voltage=400VDC, ComponentLink1Description=Manufacturer, ComponentLink1URL=http://www.we-online.de, ComponentLink2Description=Datasheet, ComponentLink2URL=https://www.we-online.com/catalog/datasheet/890283425002CS.pdf, Dissipation Factor@1kHz=1%, Dissipation Factor@10kHz=1.5%, Dissipation Factor@100kHz=3.6%, Height=11mm, Length=18mm, Manufacturer Part Number=890283425002CS, Mounting Technology=THT, Packaging=Carton, Pitch=15mm, Published Date="May 2020", Technical Reference=MPSP015224K400DCPP45004, Width=5mm
C9: library part 890303422005CS, "CAP FILM THT 10.5x6 0.047uF 630V 10%", Capacitance=47nF, Capacitance Tolerance=+/-10%, Insulation Resistance=9000MOhm, Manufacturer="Wurth Elektronik", Operating Temperature="-40 to +85degC", Rate of Voltage Rise=100V/us, Rated Voltage=630VDC, ComponentLink1Description=Manufacturer, ComponentLink1URL=http://www.we-online.de, ComponentLink2Description=Datasheet, ComponentLink2URL=https://www.we-online.com/catalog/datasheet/890303422005CS.pdf, Dissipation Factor@1kHz=1%, Dissipation Factor@10kHz=1.4%, Dissipation Factor@100kHz=2.2%, Height=12mm, Length=10.5mm, Manufacturer Part Number=890303422005CS, Mounting Technology=THT, Packaging=Carton, Pitch=7.5mm, Published Date="May 2020", Technical Reference=MPSP075473K630DCPP45004, Width=6mm
C10 C25: library part CDV19EF470JO3F, "CAP MICA THT 16.3x4.8 47pF 1kV 5%", Capacitance=47pF, Case/Package=Radial, Dielectric Material=Mica, Manufacturer="Cornell Dubilier", Max Operating Temperature=125°C, Min Operating Temperature=-55°C, Package Quantity=50, Supplier Part Number 1=598-CDV19EF470JO3F, Temperature Coefficient=100ppm/°C, Tolerance=5%, Voltage Rating=1kV, Category="Mica Capacitors", ComponentLink1Description=https://datasheet.ciiva.com/254/cd10-254226.pdf?src-supplier=Digi-Key, ComponentLink1URL=https://datasheet.ciiva.com/254/cd10-254226.pdf?src-supplier=Digi-Key, ComponentLink2Description=https://datasheet.ciiva.com/22709/1731345-22709964.pdf?src-supplier=Element14, ComponentLink2URL=https://datasheet.ciiva.com/22709/1731345-22709964.pdf?src-supplier=Element14, Features="General Purpose", Height=12.7mm, Height - Seated (Max)=0.5inch, Lead Pitch=0.343inch, Length=0.642inch, Manufacturer Part Number=CDV19EF470JO3F, Mount="Through Hole", Packaging=Bulk, Pricing 1="1=3,59000, 10=2,90000, 50=2,61000, 100=1,97000, 1000=1,56000, 10000=1,47000 (USD)", REACH SVHC="No SVHC", RoHS=Yes, RoHS Compliant=Yes, Series=CDV19, Stock 1=241, Supplier 1=Mouser, Termination=Radial, Voltage Rating (DC)=1kV, Width=0.189inch, Working Voltage=1kV
C11: library part CD19FD501JO3F, "CAP MICA THT 16.3x5 500pF 500V 5%", Capacitance=500pF, Case/Package=Radial, Dielectric Material=Mica, Manufacturer="Cornell Dubilier", Max Operating Temperature=125°C, Min Operating Temperature=-55°C, Package Quantity=50, Supplier Part Number 1=598-CD19FD501JO3F, Temperature Coefficient=70ppm/°C, Tolerance=5%, Voltage=500V, Category="Mica Capacitors", ComponentLink1Description=https://datasheet.ciiva.com/14605/70189489-14605710.pdf?src-supplier=Allied+Electronics, ComponentLink1URL=https://datasheet.ciiva.com/14605/70189489-14605710.pdf?src-supplier=Allied+Electronics, ComponentLink2Description=https://datasheet.ciiva.com/1459/87234-1459863.pdf?src-supplier=Element14, ComponentLink2URL=https://datasheet.ciiva.com/1459/87234-1459863.pdf?src-supplier=Element14, Construction=RADIAL, Features="General Purpose", Height=0.51inch, Height - Seated (Max)=0.512inch, Lead Free="Lead Free", Lead Pitch=0.343inch, Length=0.642inch, Manufacturer Part Number=CD19FD501JO3F, Mount="Through Hole,PCB", Number of Pins=2, Packaging=Bulk, Pricing 1="1=2,75000, 10=2,49000, 50=2,27000, 100=1,74000, 1000=1,47000, 10000=1,38000 (USD)", REACH SVHC="No SVHC", RoHS=Yes, RoHS Compliant=Yes, Series=CD19, Stock 1=504, Supplier 1=Mouser, Termination=Radial, Voltage Rating=500V, Voltage Rating (DC)=500V, Width=0.201inch
C14: library part UKL2AR68KDD1TA, "CAP ALUM THT D5xH11 0.68uF 100V 20%", Capacitance=680nF, Case/Package=Radial, Manufacturer=Nichicon, Max Operating Temperature=85°C, Min Operating Temperature=-40°C, Package Quantity=2000, Ripple Current=14.5mA, Supplier Part Number 1=647-UKL2AR68KDD1TA, Tolerance=20%, Voltage Rating=100V, Category="Aluminum Electrolytic Capacitors", ComponentLink1Description=http://nichicon-us.com/english/products/pdfs/e-ukl.pdf?src-supplier=Digi-Key, ComponentLink1URL=http://nichicon-us.com/english/products/pdfs/e-ukl.pdf?src-supplier=Digi-Key, Height - Seated (Max)=0.472inch, Lead Pitch=0.079inch, Life (Hours)=2000Hour, Manufacturer Part Number=UKL2AR68KDD1TA, Mount="Through Hole", Packaging="Tape and Reel", Polarity=Polar, Pricing 1="1=0,36000, 10=0,25000, 50=0,20500, 100=0,15000, 1000=0,09500, 10000=0,08500 (USD)", RoHS=Yes, RoHS Compliant=Yes, Supplier 1=Mouser
C15: library part 100PK10MEFC5X11, "CAP ALUM THT D5xH11 10uF 100V 20%", Capacitance=10uF, Case/Package=Radial, Leakage Current=3uA, Manufacturer=Rubycon, Max Operating Temperature=85°C, Min Operating Temperature=-40°C, Package Quantity=3000, Ripple Current=75mA, Supplier Part Number 1=232-100PK10MEFC5X11, Tolerance=20%, Voltage=100V, Category="Aluminum Electrolytic Capacitors", ComponentLink1Description=https://datasheet.ciiva.com/11691/e-pk-11691642.pdf?src-supplier=Avnet, ComponentLink1URL=https://datasheet.ciiva.com/11691/e-pk-11691642.pdf?src-supplier=Avnet, ComponentLink2Description=https://datasheet.ciiva.com/17515/e-pk-17515194.pdf?src-supplier=Avnet+Europe, ComponentLink2URL=https://datasheet.ciiva.com/17515/e-pk-17515194.pdf?src-supplier=Avnet+Europe, Construction=RADIAL, Diameter=5mm, Height=11mm, Height - Seated (Max)=0.492inch, Lead Diameter=0.5mm, Lead Pitch=2mm, Life (Hours)=2000Hour, Manufacturer Part Number=100PK10MEFC5X11, Mount="Through Hole", Packaging=Bulk, Pricing 1="1=0,25000, 10=0,17000, 50=0,17000, 100=0,05800, 1000=0,04900, 10000=0,04300 (USD)", Radiation Hardening=No, REACH SVHC="No SVHC", Ripple Current (AC)=75mA, RoHS=Yes, RoHS Compliant=Yes, Series=PK, Stock 1=2901, Supplier 1=Mouser, Termination=Radial, Voltage Rating=100V, Voltage Rating (DC)=100V
C16 C33: library part "TAD SILVER MICA CAPS", "CAP MICA THT AxB 0.002uF 500V 5%"
C17: library part TVA1306, "CAP ALUM THT AXIAL D6.35xH17.45 25uF 50V 20%", Capacitance=25uF, Case/Package=Axial, Dielectric Material=Aluminium, Manufacturer=Vishay, Max Operating Temperature=85°C, Min Operating Temperature=-40°C, Package Quantity=560, Supplier Part Number 1=75-TVA1306, Tolerance=20%, Voltage Rating=50V, Category="Aluminum Electrolytic Capacitors", ComponentLink1Description=https://datasheet.ciiva.com/11700/tvatom-11700487.pdf?src-supplier=Avnet, ComponentLink1URL=https://datasheet.ciiva.com/11700/tvatom-11700487.pdf?src-supplier=Avnet, Diameter=6.35mm, Height=17.5mm, Lead Free="Lead Free", Length=0.687inch, Manufacturer Part Number=TVA1306, Mount="Through Hole", Number of Pins=2, Packaging=Bulk, Polarity=Polar, Pricing 1="1=2,84000, 10=2,84000, 50=2,20000, 100=1,95000, 1000=1,77000, 10000=1,77000 (USD)", Radiation Hardening=No, RoHS=No, RoHS Compliant=No, Series="TVA ATOM®", Stock 1=1574, Supplier 1=Mouser, Termination=Axial, Voltage Rating (DC)=50V